# KiCad board Si5351ABreakout_panel.kicad_pcb (continued)
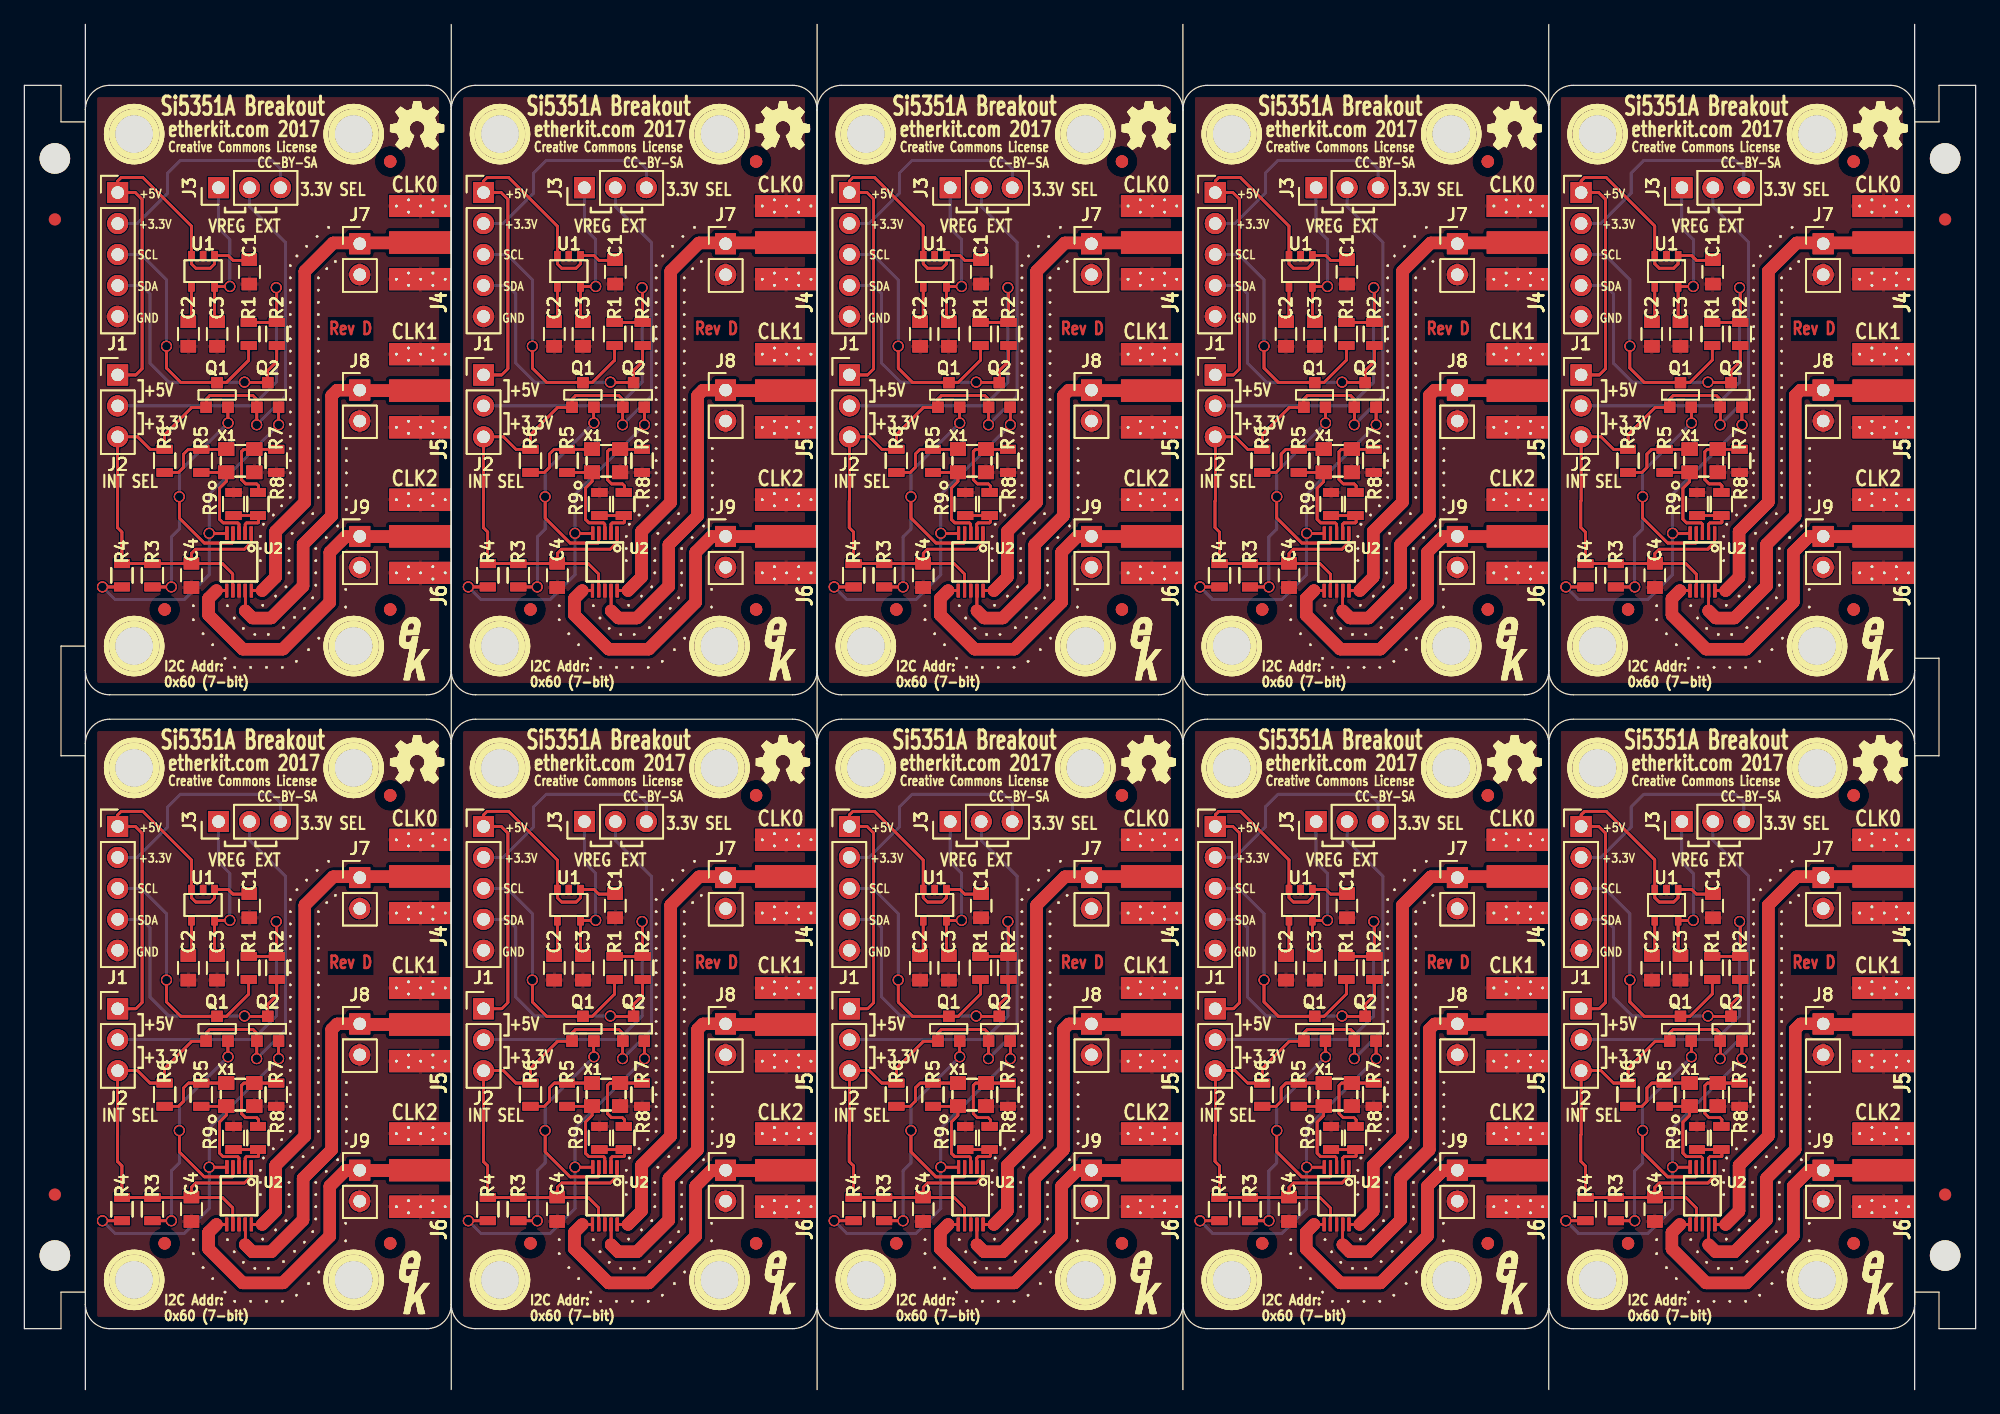
[diagram p0: board, top side]
## Placement (name value [footprint] x y rotation side) (continued)
VIA#675  VAL**  [VIA]  78.55 59.25 0 top
VIA#676  VAL**  [VIA]  76.45 60 0 top
VIA#677  VAL**  [VIA]  75.45 61.1 0 top
VIA#678  VAL**  [VIA]  74.65 62 0 top
VIA#679  VAL**  [VIA]  73.85 63.15 0 top
VIA#680  VAL**  [VIA]  73.85 64.3 0 top
VIA#681  VAL**  [VIA]  84.95 95.35 0 top
VIA#682  VAL**  [VIA]  84 94.6 0 top
VIA#683  VAL**  [VIA]  83.15 93.8 0 top
VIA#684  VAL**  [VIA]  82.35 93 0 top
VIA#685  VAL**  [VIA]  85.5 92.55 0 top
VIA#686  VAL**  [VIA]  84.8 91.95 0 top
VIA#687  VAL**  [VIA]  84.1 91.2 0 top
VIA#688  VAL**  [VIA]  84.1 90.2 0 top
VIA#689  VAL**  [VIA]  84.1 89.2 0 top
VIA#690  VAL**  [VIA]  84.1 88.2 0 top
VIA#691  VAL**  [VIA]  84.1 87.2 0 top
VIA#692  VAL**  [VIA]  84.1 86.2 0 top
VIA#693  VAL**  [VIA]  84.1 85.2 0 top
VIA#694  VAL**  [VIA]  84.1 84.2 0 top
VIA#695  VAL**  [VIA]  84.1 83.2 0 top
VIA#696  VAL**  [VIA]  84.1 82.2 0 top
VIA#697  VAL**  [VIA]  86.4 77.2 0 top
VIA#698  VAL**  [VIA]  86.4 76.2 0 top
VIA#699  VAL**  [VIA]  86.4 75.2 0 top
VIA#700  VAL**  [VIA]  86.4 74.2 0 top
VIA#701  VAL**  [VIA]  86.4 73.2 0 top
VIA#702  VAL**  [VIA]  83.65 64.95 0 top
VIA#703  VAL**  [VIA]  86.4 72.2 0 top
VIA#704  VAL**  [VIA]  85.7 70.85 0 top
VIA#705  VAL**  [VIA]  84.75 69.9 0 top
VIA#706  VAL**  [VIA]  83.9 69 0 top
VIA#707  VAL**  [VIA]  83.9 68 0 top
VIA#708  VAL**  [VIA]  83.9 67 0 top
VIA#709  VAL**  [VIA]  83.9 66 0 top
VIA#710  VAL**  [VIA]  82.95 64.1 0 top
VIA#711  VAL**  [VIA]  82.15 63.35 0 top
VIA#712  VAL**  [VIA]  81.25 62.5 0 top
VIA#713  VAL**  [VIA]  80 61.95 0 top
VIA#714  VAL**  [VIA]  78.9 61.95 0 top
VIA#715  VAL**  [VIA]  77.95 62.45 0 top
VIA#716  VAL**  [VIA]  76.65 64.3 0 top
VIA#717  VAL**  [VIA]  79.55 64.35 0 top
VIA#718  VAL**  [VIA]  80.6 65.1 0 top
VIA#719  VAL**  [VIA]  81.45 65.85 0 top
VIA#720  VAL**  [VIA]  81.7 67 0 top
VIA#721  VAL**  [VIA]  81.7 68 0 top
VIA#722  VAL**  [VIA]  81.7 69 0 top
VIA#723  VAL**  [VIA]  81.95 70.25 0 top
VIA#724  VAL**  [VIA]  82.85 71.1 0 top
VIA#725  VAL**  [VIA]  84.1 80.2 0 top
VIA#726  VAL**  [VIA]  84.1 79.2 0 top
VIA#727  VAL**  [VIA]  84.1 78.2 0 top
VIA#728  VAL**  [VIA]  84.1 77.2 0 top
VIA#729  VAL**  [VIA]  84.1 76.2 0 top
VIA#730  VAL**  [VIA]  84.1 75.2 0 top
VIA#731  VAL**  [VIA]  84.1 74.2 0 top
VIA#732  VAL**  [VIA]  84.1 73.2 0 top
VIA#733  VAL**  [VIA]  81.1 72.5 0 top
VIA#734  VAL**  [VIA]  80.4 71.75 0 top
VIA#735  VAL**  [VIA]  79.6 71 0 top
VIA#736  VAL**  [VIA]  79.35 70 0 top
VIA#737  VAL**  [VIA]  79.35 69 0 top
VIA#738  VAL**  [VIA]  79.35 68 0 top
VIA#739  VAL**  [VIA]  83.65 71.85 0 top
VIA#740  VAL**  [VIA]  81.8 73.2 0 top
VIA#741  VAL**  [VIA]  81.8 74.2 0 top
VIA#742  VAL**  [VIA]  81.8 75.2 0 top
VIA#743  VAL**  [VIA]  81.8 76.2 0 top
VIA#744  VAL**  [VIA]  81.8 77.2 0 top
VIA#745  VAL**  [VIA]  81.8 78.2 0 top
VIA#746  VAL**  [VIA]  81.8 79.2 0 top
VIA#747  VAL**  [VIA]  81.8 80.2 0 top
VIA#748  VAL**  [VIA]  81.8 81.2 0 top
VIA#749  VAL**  [VIA]  81.8 82.2 0 top
VIA#750  VAL**  [VIA]  81.8 83.2 0 top
VIA#751  VAL**  [VIA]  81.8 84.2 0 top
VIA#752  VAL**  [VIA]  81.8 85.2 0 top
VIA#753  VAL**  [VIA]  81.8 86.2 0 top
VIA#754  VAL**  [VIA]  81.8 87.2 0 top
VIA#755  VAL**  [VIA]  81.8 88.2 0 top
VIA#756  VAL**  [VIA]  81.8 89.2 0 top
VIA#757  VAL**  [VIA]  81.8 90.2 0 top
VIA#758  VAL**  [VIA]  81.8 91.2 0 top
VIA#759  VAL**  [VIA]  81.8 92.2 0 top
VIA#760  VAL**  [VIA]  84.1 81.2 0 top
VIA#761  VAL**  [VIA]  107.2 63.3 0 top
VIA#762  VAL**  [VIA]  116.35 65.65 0 top
VIA#763  VAL**  [VIA]  116.35 64.2 0 top
VIA#764  VAL**  [VIA]  107.25 59.25 0 top
VIA#765  VAL**  [VIA]  114.15 61.65 0 top
VIA#766  VAL**  [VIA]  113.3 60.7 0 top
VIA#767  VAL**  [VIA]  112.3 59.75 0 top
VIA#768  VAL**  [VIA]  111.15 59.25 0 top
VIA#769  VAL**  [VIA]  109.85 59.25 0 top
VIA#770  VAL**  [VIA]  108.55 59.25 0 top
VIA#771  VAL**  [VIA]  106.45 60 0 top
VIA#772  VAL**  [VIA]  105.45 61.1 0 top
VIA#773  VAL**  [VIA]  104.65 62 0 top
VIA#774  VAL**  [VIA]  103.85 63.15 0 top
VIA#775  VAL**  [VIA]  103.85 64.3 0 top
VIA#776  VAL**  [VIA]  114.95 95.35 0 top
VIA#777  VAL**  [VIA]  114 94.6 0 top
VIA#778  VAL**  [VIA]  113.15 93.8 0 top
VIA#779  VAL**  [VIA]  112.35 93 0 top
VIA#780  VAL**  [VIA]  115.5 92.55 0 top
VIA#781  VAL**  [VIA]  114.8 91.95 0 top
VIA#782  VAL**  [VIA]  114.1 91.2 0 top
VIA#783  VAL**  [VIA]  114.1 90.2 0 top
VIA#784  VAL**  [VIA]  114.1 89.2 0 top
VIA#785  VAL**  [VIA]  114.1 88.2 0 top
VIA#786  VAL**  [VIA]  114.1 87.2 0 top
VIA#787  VAL**  [VIA]  114.1 86.2 0 top
VIA#788  VAL**  [VIA]  114.1 85.2 0 top
VIA#789  VAL**  [VIA]  114.1 84.2 0 top
VIA#790  VAL**  [VIA]  114.1 83.2 0 top
VIA#791  VAL**  [VIA]  114.1 82.2 0 top
VIA#792  VAL**  [VIA]  116.4 77.2 0 top
VIA#793  VAL**  [VIA]  116.4 76.2 0 top
VIA#794  VAL**  [VIA]  116.4 75.2 0 top
VIA#795  VAL**  [VIA]  116.4 74.2 0 top
VIA#796  VAL**  [VIA]  116.4 73.2 0 top
VIA#797  VAL**  [VIA]  113.65 64.95 0 top
VIA#798  VAL**  [VIA]  116.4 72.2 0 top
VIA#799  VAL**  [VIA]  115.7 70.85 0 top
VIA#800  VAL**  [VIA]  114.75 69.9 0 top
VIA#801  VAL**  [VIA]  113.9 69 0 top
VIA#802  VAL**  [VIA]  113.9 68 0 top
VIA#803  VAL**  [VIA]  113.9 67 0 top
VIA#804  VAL**  [VIA]  113.9 66 0 top
VIA#805  VAL**  [VIA]  112.95 64.1 0 top
VIA#806  VAL**  [VIA]  112.15 63.35 0 top
VIA#807  VAL**  [VIA]  111.25 62.5 0 top
VIA#808  VAL**  [VIA]  110 61.95 0 top
VIA#809  VAL**  [VIA]  108.9 61.95 0 top
VIA#810  VAL**  [VIA]  107.95 62.45 0 top
VIA#811  VAL**  [VIA]  106.65 64.3 0 top
VIA#812  VAL**  [VIA]  109.55 64.35 0 top
VIA#813  VAL**  [VIA]  110.6 65.1 0 top
VIA#814  VAL**  [VIA]  111.45 65.85 0 top
VIA#815  VAL**  [VIA]  111.7 67 0 top
VIA#816  VAL**  [VIA]  111.7 68 0 top
VIA#817  VAL**  [VIA]  111.7 69 0 top
VIA#818  VAL**  [VIA]  111.95 70.25 0 top
VIA#819  VAL**  [VIA]  112.85 71.1 0 top
VIA#820  VAL**  [VIA]  114.1 80.2 0 top
VIA#821  VAL**  [VIA]  114.1 79.2 0 top
VIA#822  VAL**  [VIA]  114.1 78.2 0 top
VIA#823  VAL**  [VIA]  114.1 77.2 0 top
VIA#824  VAL**  [VIA]  114.1 76.2 0 top
VIA#825  VAL**  [VIA]  114.1 75.2 0 top
VIA#826  VAL**  [VIA]  114.1 74.2 0 top
VIA#827  VAL**  [VIA]  114.1 73.2 0 top
VIA#828  VAL**  [VIA]  111.1 72.5 0 top
VIA#829  VAL**  [VIA]  110.4 71.75 0 top
VIA#830  VAL**  [VIA]  109.6 71 0 top
VIA#831  VAL**  [VIA]  109.35 70 0 top
VIA#832  VAL**  [VIA]  109.35 69 0 top
VIA#833  VAL**  [VIA]  109.35 68 0 top
VIA#834  VAL**  [VIA]  113.65 71.85 0 top
VIA#835  VAL**  [VIA]  111.8 73.2 0 top
VIA#836  VAL**  [VIA]  111.8 74.2 0 top
VIA#837  VAL**  [VIA]  111.8 75.2 0 top
VIA#838  VAL**  [VIA]  111.8 76.2 0 top
VIA#839  VAL**  [VIA]  111.8 77.2 0 top
VIA#840  VAL**  [VIA]  111.8 78.2 0 top
VIA#841  VAL**  [VIA]  111.8 79.2 0 top
VIA#842  VAL**  [VIA]  111.8 80.2 0 top
VIA#843  VAL**  [VIA]  111.8 81.2 0 top
VIA#844  VAL**  [VIA]  111.8 82.2 0 top
VIA#845  VAL**  [VIA]  111.8 83.2 0 top
VIA#846  VAL**  [VIA]  111.8 84.2 0 top
VIA#847  VAL**  [VIA]  111.8 85.2 0 top
VIA#848  VAL**  [VIA]  111.8 86.2 0 top
VIA#849  VAL**  [VIA]  111.8 87.2 0 top
VIA#850  VAL**  [VIA]  111.8 88.2 0 top
VIA#851  VAL**  [VIA]  111.8 89.2 0 top
VIA#852  VAL**  [VIA]  111.8 90.2 0 top
VIA#853  VAL**  [VIA]  111.8 91.2 0 top
VIA#854  VAL**  [VIA]  111.8 92.2 0 top
VIA#855  VAL**  [VIA]  114.1 81.2 0 top
VIA#856  VAL**  [VIA]  137.2 63.3 0 top
VIA#857  VAL**  [VIA]  146.35 65.65 0 top
VIA#858  VAL**  [VIA]  146.35 64.2 0 top
VIA#859  VAL**  [VIA]  137.25 59.25 0 top
VIA#860  VAL**  [VIA]  144.15 61.65 0 top
VIA#861  VAL**  [VIA]  143.3 60.7 0 top
VIA#862  VAL**  [VIA]  142.3 59.75 0 top
VIA#863  VAL**  [VIA]  141.15 59.25 0 top
VIA#864  VAL**  [VIA]  139.85 59.25 0 top
VIA#865  VAL**  [VIA]  138.55 59.25 0 top
VIA#866  VAL**  [VIA]  136.45 60 0 top
VIA#867  VAL**  [VIA]  135.45 61.1 0 top
VIA#868  VAL**  [VIA]  134.65 62 0 top
VIA#869  VAL**  [VIA]  133.85 63.15 0 top
VIA#870  VAL**  [VIA]  133.85 64.3 0 top
VIA#871  VAL**  [VIA]  144.95 95.35 0 top
VIA#872  VAL**  [VIA]  144 94.6 0 top
VIA#873  VAL**  [VIA]  143.15 93.8 0 top
VIA#874  VAL**  [VIA]  142.35 93 0 top
VIA#875  VAL**  [VIA]  145.5 92.55 0 top
VIA#876  VAL**  [VIA]  144.8 91.95 0 top
VIA#877  VAL**  [VIA]  144.1 91.2 0 top
VIA#878  VAL**  [VIA]  144.1 90.2 0 top
VIA#879  VAL**  [VIA]  144.1 89.2 0 top
VIA#880  VAL**  [VIA]  144.1 88.2 0 top
VIA#881  VAL**  [VIA]  144.1 87.2 0 top
VIA#882  VAL**  [VIA]  144.1 86.2 0 top
VIA#883  VAL**  [VIA]  144.1 85.2 0 top
VIA#884  VAL**  [VIA]  144.1 84.2 0 top
VIA#885  VAL**  [VIA]  144.1 83.2 0 top
VIA#886  VAL**  [VIA]  144.1 82.2 0 top
VIA#887  VAL**  [VIA]  146.4 77.2 0 top
VIA#888  VAL**  [VIA]  146.4 76.2 0 top
VIA#889  VAL**  [VIA]  146.4 75.2 0 top
VIA#890  VAL**  [VIA]  146.4 74.2 0 top
VIA#891  VAL**  [VIA]  146.4 73.2 0 top
VIA#892  VAL**  [VIA]  143.65 64.95 0 top
VIA#893  VAL**  [VIA]  146.4 72.2 0 top
VIA#894  VAL**  [VIA]  145.7 70.85 0 top
VIA#895  VAL**  [VIA]  144.75 69.9 0 top
VIA#896  VAL**  [VIA]  143.9 69 0 top
VIA#897  VAL**  [VIA]  143.9 68 0 top
VIA#898  VAL**  [VIA]  143.9 67 0 top
VIA#899  VAL**  [VIA]  143.9 66 0 top
VIA#900  VAL**  [VIA]  142.95 64.1 0 top
VIA#901  VAL**  [VIA]  142.15 63.35 0 top
VIA#902  VAL**  [VIA]  141.25 62.5 0 top
VIA#903  VAL**  [VIA]  140 61.95 0 top
VIA#904  VAL**  [VIA]  138.9 61.95 0 top
VIA#905  VAL**  [VIA]  137.95 62.45 0 top
VIA#906  VAL**  [VIA]  136.65 64.3 0 top
VIA#907  VAL**  [VIA]  139.55 64.35 0 top
VIA#908  VAL**  [VIA]  140.6 65.1 0 top
VIA#909  VAL**  [VIA]  141.45 65.85 0 top
VIA#910  VAL**  [VIA]  141.7 67 0 top
VIA#911  VAL**  [VIA]  141.7 68 0 top
VIA#912  VAL**  [VIA]  141.7 69 0 top
VIA#913  VAL**  [VIA]  141.95 70.25 0 top
VIA#914  VAL**  [VIA]  142.85 71.1 0 top
VIA#915  VAL**  [VIA]  144.1 80.2 0 top
VIA#916  VAL**  [VIA]  144.1 79.2 0 top
VIA#917  VAL**  [VIA]  144.1 78.2 0 top
VIA#918  VAL**  [VIA]  144.1 77.2 0 top
VIA#919  VAL**  [VIA]  144.1 76.2 0 top
VIA#920  VAL**  [VIA]  144.1 75.2 0 top
VIA#921  VAL**  [VIA]  144.1 74.2 0 top
VIA#922  VAL**  [VIA]  144.1 73.2 0 top
VIA#923  VAL**  [VIA]  141.1 72.5 0 top
VIA#924  VAL**  [VIA]  140.4 71.75 0 top
VIA#925  VAL**  [VIA]  139.6 71 0 top
VIA#926  VAL**  [VIA]  139.35 70 0 top
VIA#927  VAL**  [VIA]  139.35 69 0 top
VIA#928  VAL**  [VIA]  139.35 68 0 top
VIA#929  VAL**  [VIA]  143.65 71.85 0 top
VIA#930  VAL**  [VIA]  141.8 73.2 0 top
VIA#931  VAL**  [VIA]  141.8 74.2 0 top
VIA#932  VAL**  [VIA]  141.8 75.2 0 top
VIA#933  VAL**  [VIA]  141.8 76.2 0 top
VIA#934  VAL**  [VIA]  141.8 77.2 0 top
VIA#935  VAL**  [VIA]  141.8 78.2 0 top
VIA#936  VAL**  [VIA]  141.8 79.2 0 top
VIA#937  VAL**  [VIA]  141.8 80.2 0 top
VIA#938  VAL**  [VIA]  141.8 81.2 0 top
VIA#939  VAL**  [VIA]  141.8 82.2 0 top
VIA#940  VAL**  [VIA]  141.8 83.2 0 top
VIA#941  VAL**  [VIA]  141.8 84.2 0 top
VIA#942  VAL**  [VIA]  141.8 85.2 0 top
VIA#943  VAL**  [VIA]  141.8 86.2 0 top
VIA#944  VAL**  [VIA]  141.8 87.2 0 top
VIA#945  VAL**  [VIA]  141.8 88.2 0 top
VIA#946  VAL**  [VIA]  141.8 89.2 0 top
VIA#947  VAL**  [VIA]  141.8 90.2 0 top
VIA#948  VAL**  [VIA]  141.8 91.2 0 top
VIA#949  VAL**  [VIA]  141.8 92.2 0 top
VIA#950  VAL**  [VIA]  144.1 81.2 0 top
VIA#951  VAL**  [VIA]  144.1 81.2 0 top
VIA#952  VAL**  [VIA]  141.8 92.2 0 top
VIA#953  VAL**  [VIA]  141.8 91.2 0 top
VIA#954  VAL**  [VIA]  141.8 90.2 0 top
VIA#955  VAL**  [VIA]  141.8 89.2 0 top
VIA#956  VAL**  [VIA]  141.8 88.2 0 top
VIA#957  VAL**  [VIA]  141.8 87.2 0 top
VIA#958  VAL**  [VIA]  141.8 86.2 0 top
VIA#959  VAL**  [VIA]  141.8 85.2 0 top
VIA#960  VAL**  [VIA]  141.8 84.2 0 top
VIA#961  VAL**  [VIA]  141.8 83.2 0 top
VIA#962  VAL**  [VIA]  141.8 82.2 0 top
VIA#963  VAL**  [VIA]  141.8 81.2 0 top
VIA#964  VAL**  [VIA]  141.8 80.2 0 top
VIA#965  VAL**  [VIA]  141.8 79.2 0 top
VIA#966  VAL**  [VIA]  141.8 78.2 0 top
VIA#967  VAL**  [VIA]  141.8 77.2 0 top
VIA#968  VAL**  [VIA]  141.8 76.2 0 top
VIA#969  VAL**  [VIA]  141.8 75.2 0 top
VIA#970  VAL**  [VIA]  141.8 74.2 0 top
VIA#971  VAL**  [VIA]  141.8 73.2 0 top
VIA#972  VAL**  [VIA]  143.65 71.85 0 top
VIA#973  VAL**  [VIA]  139.35 68 0 top
VIA#974  VAL**  [VIA]  139.35 69 0 top
VIA#975  VAL**  [VIA]  139.35 70 0 top
VIA#976  VAL**  [VIA]  139.6 71 0 top
VIA#977  VAL**  [VIA]  140.4 71.75 0 top
VIA#978  VAL**  [VIA]  141.1 72.5 0 top
VIA#979  VAL**  [VIA]  144.1 73.2 0 top
VIA#980  VAL**  [VIA]  144.1 74.2 0 top
VIA#981  VAL**  [VIA]  144.1 75.2 0 top
VIA#982  VAL**  [VIA]  144.1 76.2 0 top
VIA#983  VAL**  [VIA]  144.1 77.2 0 top
VIA#984  VAL**  [VIA]  144.1 78.2 0 top
VIA#985  VAL**  [VIA]  144.1 79.2 0 top
VIA#986  VAL**  [VIA]  144.1 80.2 0 top
VIA#987  VAL**  [VIA]  142.85 71.1 0 top
VIA#988  VAL**  [VIA]  141.95 70.25 0 top
VIA#989  VAL**  [VIA]  141.7 69 0 top
VIA#990  VAL**  [VIA]  141.7 68 0 top
VIA#991  VAL**  [VIA]  141.7 67 0 top
VIA#992  VAL**  [VIA]  141.45 65.85 0 top
VIA#993  VAL**  [VIA]  140.6 65.1 0 top
VIA#994  VAL**  [VIA]  139.55 64.35 0 top
VIA#995  VAL**  [VIA]  136.65 64.3 0 top
VIA#996  VAL**  [VIA]  137.95 62.45 0 top
VIA#997  VAL**  [VIA]  138.9 61.95 0 top
VIA#998  VAL**  [VIA]  140 61.95 0 top
VIA#999  VAL**  [VIA]  141.25 62.5 0 top
VIA#1000  VAL**  [VIA]  142.15 63.35 0 top
VIA#1001  VAL**  [VIA]  142.95 64.1 0 top
VIA#1002  VAL**  [VIA]  143.9 66 0 top
VIA#1003  VAL**  [VIA]  143.9 67 0 top
VIA#1004  VAL**  [VIA]  143.9 68 0 top
VIA#1005  VAL**  [VIA]  143.9 69 0 top
VIA#1006  VAL**  [VIA]  144.75 69.9 0 top
VIA#1007  VAL**  [VIA]  145.7 70.85 0 top
VIA#1008  VAL**  [VIA]  146.4 72.2 0 top
VIA#1009  VAL**  [VIA]  143.65 64.95 0 top
VIA#1010  VAL**  [VIA]  146.4 73.2 0 top
VIA#1011  VAL**  [VIA]  146.4 74.2 0 top
VIA#1012  VAL**  [VIA]  146.4 75.2 0 top
VIA#1013  VAL**  [VIA]  146.4 76.2 0 top
VIA#1014  VAL**  [VIA]  146.4 77.2 0 top
VIA#1015  VAL**  [VIA]  144.1 82.2 0 top
VIA#1016  VAL**  [VIA]  144.1 83.2 0 top
VIA#1017  VAL**  [VIA]  144.1 84.2 0 top
VIA#1018  VAL**  [VIA]  144.1 85.2 0 top
VIA#1019  VAL**  [VIA]  144.1 86.2 0 top
VIA#1020  VAL**  [VIA]  144.1 87.2 0 top
VIA#1021  VAL**  [VIA]  144.1 88.2 0 top
VIA#1022  VAL**  [VIA]  144.1 89.2 0 top
VIA#1023  VAL**  [VIA]  144.1 90.2 0 top
VIA#1024  VAL**  [VIA]  144.1 91.2 0 top
VIA#1025  VAL**  [VIA]  144.8 91.95 0 top
VIA#1026  VAL**  [VIA]  145.5 92.55 0 top
VIA#1027  VAL**  [VIA]  142.35 93 0 top
VIA#1028  VAL**  [VIA]  143.15 93.8 0 top
VIA#1029  VAL**  [VIA]  144 94.6 0 top
VIA#1030  VAL**  [VIA]  144.95 95.35 0 top
VIA#1031  VAL**  [VIA]  133.85 64.3 0 top
VIA#1032  VAL**  [VIA]  133.85 63.15 0 top
VIA#1033  VAL**  [VIA]  134.65 62 0 top
VIA#1034  VAL**  [VIA]  135.45 61.1 0 top
VIA#1035  VAL**  [VIA]  136.45 60 0 top
VIA#1036  VAL**  [VIA]  138.55 59.25 0 top
VIA#1037  VAL**  [VIA]  139.85 59.25 0 top
VIA#1038  VAL**  [VIA]  141.15 59.25 0 top
VIA#1039  VAL**  [VIA]  142.3 59.75 0 top
VIA#1040  VAL**  [VIA]  143.3 60.7 0 top
VIA#1041  VAL**  [VIA]  144.15 61.65 0 top
VIA#1042  VAL**  [VIA]  137.25 59.25 0 top
VIA#1043  VAL**  [VIA]  146.35 64.2 0 top
VIA#1044  VAL**  [VIA]  146.35 65.65 0 top
VIA#1045  VAL**  [VIA]  137.2 63.3 0 top
VIA#1046  VAL**  [VIA]  114.1 81.2 0 top
VIA#1047  VAL**  [VIA]  111.8 92.2 0 top
VIA#1048  VAL**  [VIA]  111.8 91.2 0 top
VIA#1049  VAL**  [VIA]  111.8 90.2 0 top
VIA#1050  VAL**  [VIA]  111.8 89.2 0 top
VIA#1051  VAL**  [VIA]  111.8 88.2 0 top
VIA#1052  VAL**  [VIA]  111.8 87.2 0 top
VIA#1053  VAL**  [VIA]  111.8 86.2 0 top
VIA#1054  VAL**  [VIA]  111.8 85.2 0 top
VIA#1055  VAL**  [VIA]  111.8 84.2 0 top
VIA#1056  VAL**  [VIA]  111.8 83.2 0 top
VIA#1057  VAL**  [VIA]  111.8 82.2 0 top
VIA#1058  VAL**  [VIA]  111.8 81.2 0 top
VIA#1059  VAL**  [VIA]  111.8 80.2 0 top
VIA#1060  VAL**  [VIA]  111.8 79.2 0 top
VIA#1061  VAL**  [VIA]  111.8 78.2 0 top
VIA#1062  VAL**  [VIA]  111.8 77.2 0 top
VIA#1063  VAL**  [VIA]  111.8 76.2 0 top
VIA#1064  VAL**  [VIA]  111.8 75.2 0 top
VIA#1065  VAL**  [VIA]  111.8 74.2 0 top
VIA#1066  VAL**  [VIA]  111.8 73.2 0 top
VIA#1067  VAL**  [VIA]  113.65 71.85 0 top
VIA#1068  VAL**  [VIA]  109.35 68 0 top
VIA#1069  VAL**  [VIA]  109.35 69 0 top
VIA#1070  VAL**  [VIA]  109.35 70 0 top
VIA#1071  VAL**  [VIA]  109.6 71 0 top
VIA#1072  VAL**  [VIA]  110.4 71.75 0 top
VIA#1073  VAL**  [VIA]  111.1 72.5 0 top
VIA#1074  VAL**  [VIA]  114.1 73.2 0 top
VIA#1075  VAL**  [VIA]  114.1 74.2 0 top
VIA#1076  VAL**  [VIA]  114.1 75.2 0 top
VIA#1077  VAL**  [VIA]  114.1 76.2 0 top
VIA#1078  VAL**  [VIA]  114.1 77.2 0 top
VIA#1079  VAL**  [VIA]  114.1 78.2 0 top
VIA#1080  VAL**  [VIA]  114.1 79.2 0 top
VIA#1081  VAL**  [VIA]  114.1 80.2 0 top
VIA#1082  VAL**  [VIA]  112.85 71.1 0 top
VIA#1083  VAL**  [VIA]  111.95 70.25 0 top
VIA#1084  VAL**  [VIA]  111.7 69 0 top
VIA#1085  VAL**  [VIA]  111.7 68 0 top
VIA#1086  VAL**  [VIA]  111.7 67 0 top
VIA#1087  VAL**  [VIA]  111.45 65.85 0 top
VIA#1088  VAL**  [VIA]  110.6 65.1 0 top
VIA#1089  VAL**  [VIA]  109.55 64.35 0 top
VIA#1090  VAL**  [VIA]  106.65 64.3 0 top
VIA#1091  VAL**  [VIA]  107.95 62.45 0 top
VIA#1092  VAL**  [VIA]  108.9 61.95 0 top
VIA#1093  VAL**  [VIA]  110 61.95 0 top
VIA#1094  VAL**  [VIA]  111.25 62.5 0 top
VIA#1095  VAL**  [VIA]  112.15 63.35 0 top
VIA#1096  VAL**  [VIA]  112.95 64.1 0 top
VIA#1097  VAL**  [VIA]  113.9 66 0 top
VIA#1098  VAL**  [VIA]  113.9 67 0 top
VIA#1099  VAL**  [VIA]  113.9 68 0 top
VIA#1100  VAL**  [VIA]  113.9 69 0 top
VIA#1101  VAL**  [VIA]  114.75 69.9 0 top
VIA#1102  VAL**  [VIA]  115.7 70.85 0 top
VIA#1103  VAL**  [VIA]  116.4 72.2 0 top
VIA#1104  VAL**  [VIA]  113.65 64.95 0 top
VIA#1105  VAL**  [VIA]  116.4 73.2 0 top
VIA#1106  VAL**  [VIA]  116.4 74.2 0 top
VIA#1107  VAL**  [VIA]  116.4 75.2 0 top
VIA#1108  VAL**  [VIA]  116.4 76.2 0 top
VIA#1109  VAL**  [VIA]  116.4 77.2 0 top
VIA#1110  VAL**  [VIA]  114.1 82.2 0 top
VIA#1111  VAL**  [VIA]  114.1 83.2 0 top
VIA#1112  VAL**  [VIA]  114.1 84.2 0 top
VIA#1113  VAL**  [VIA]  114.1 85.2 0 top
VIA#1114  VAL**  [VIA]  114.1 86.2 0 top
VIA#1115  VAL**  [VIA]  114.1 87.2 0 top
VIA#1116  VAL**  [VIA]  114.1 88.2 0 top
VIA#1117  VAL**  [VIA]  114.1 89.2 0 top
VIA#1118  VAL**  [VIA]  114.1 90.2 0 top
VIA#1119  VAL**  [VIA]  114.1 91.2 0 top
VIA#1120  VAL**  [VIA]  114.8 91.95 0 top
VIA#1121  VAL**  [VIA]  115.5 92.55 0 top
VIA#1122  VAL**  [VIA]  112.35 93 0 top
VIA#1123  VAL**  [VIA]  113.15 93.8 0 top
VIA#1124  VAL**  [VIA]  114 94.6 0 top
VIA#1125  VAL**  [VIA]  114.95 95.35 0 top
VIA#1126  VAL**  [VIA]  103.85 64.3 0 top
VIA#1127  VAL**  [VIA]  103.85 63.15 0 top
VIA#1128  VAL**  [VIA]  104.65 62 0 top
VIA#1129  VAL**  [VIA]  105.45 61.1 0 top
VIA#1130  VAL**  [VIA]  106.45 60 0 top
VIA#1131  VAL**  [VIA]  108.55 59.25 0 top
VIA#1132  VAL**  [VIA]  109.85 59.25 0 top
VIA#1133  VAL**  [VIA]  111.15 59.25 0 top
VIA#1134  VAL**  [VIA]  112.3 59.75 0 top
VIA#1135  VAL**  [VIA]  113.3 60.7 0 top
VIA#1136  VAL**  [VIA]  114.15 61.65 0 top
VIA#1137  VAL**  [VIA]  107.25 59.25 0 top
VIA#1138  VAL**  [VIA]  116.35 64.2 0 top
VIA#1139  VAL**  [VIA]  116.35 65.65 0 top
VIA#1140  VAL**  [VIA]  107.2 63.3 0 top
VIA#1141  VAL**  [VIA]  84.1 81.2 0 top
VIA#1142  VAL**  [VIA]  81.8 92.2 0 top
VIA#1143  VAL**  [VIA]  81.8 91.2 0 top
VIA#1144  VAL**  [VIA]  81.8 90.2 0 top
VIA#1145  VAL**  [VIA]  81.8 89.2 0 top
VIA#1146  VAL**  [VIA]  81.8 88.2 0 top
VIA#1147  VAL**  [VIA]  81.8 87.2 0 top
VIA#1148  VAL**  [VIA]  81.8 86.2 0 top
VIA#1149  VAL**  [VIA]  81.8 85.2 0 top
VIA#1150  VAL**  [VIA]  81.8 84.2 0 top
VIA#1151  VAL**  [VIA]  81.8 83.2 0 top
VIA#1152  VAL**  [VIA]  81.8 82.2 0 top
VIA#1153  VAL**  [VIA]  81.8 81.2 0 top
VIA#1154  VAL**  [VIA]  81.8 80.2 0 top
VIA#1155  VAL**  [VIA]  81.8 79.2 0 top
VIA#1156  VAL**  [VIA]  81.8 78.2 0 top
VIA#1157  VAL**  [VIA]  81.8 77.2 0 top
VIA#1158  VAL**  [VIA]  81.8 76.2 0 top
VIA#1159  VAL**  [VIA]  81.8 75.2 0 top
VIA#1160  VAL**  [VIA]  81.8 74.2 0 top
VIA#1161  VAL**  [VIA]  81.8 73.2 0 top
VIA#1162  VAL**  [VIA]  83.65 71.85 0 top
VIA#1163  VAL**  [VIA]  79.35 68 0 top
VIA#1164  VAL**  [VIA]  79.35 69 0 top
VIA#1165  VAL**  [VIA]  79.35 70 0 top
VIA#1166  VAL**  [VIA]  79.6 71 0 top
VIA#1167  VAL**  [VIA]  80.4 71.75 0 top
VIA#1168  VAL**  [VIA]  81.1 72.5 0 top
VIA#1169  VAL**  [VIA]  84.1 73.2 0 top
VIA#1170  VAL**  [VIA]  84.1 74.2 0 top
VIA#1171  VAL**  [VIA]  84.1 75.2 0 top
VIA#1172  VAL**  [VIA]  84.1 76.2 0 top
VIA#1173  VAL**  [VIA]  84.1 77.2 0 top
VIA#1174  VAL**  [VIA]  84.1 78.2 0 top
VIA#1175  VAL**  [VIA]  84.1 79.2 0 top
VIA#1176  VAL**  [VIA]  84.1 80.2 0 top
VIA#1177  VAL**  [VIA]  82.85 71.1 0 top
VIA#1178  VAL**  [VIA]  81.95 70.25 0 top
VIA#1179  VAL**  [VIA]  81.7 69 0 top
VIA#1180  VAL**  [VIA]  81.7 68 0 top
VIA#1181  VAL**  [VIA]  81.7 67 0 top
VIA#1182  VAL**  [VIA]  81.45 65.85 0 top
VIA#1183  VAL**  [VIA]  80.6 65.1 0 top
VIA#1184  VAL**  [VIA]  79.55 64.35 0 top
VIA#1185  VAL**  [VIA]  76.65 64.3 0 top
VIA#1186  VAL**  [VIA]  77.95 62.45 0 top
VIA#1187  VAL**  [VIA]  78.9 61.95 0 top
VIA#1188  VAL**  [VIA]  80 61.95 0 top
VIA#1189  VAL**  [VIA]  81.25 62.5 0 top
VIA#1190  VAL**  [VIA]  82.15 63.35 0 top
VIA#1191  VAL**  [VIA]  82.95 64.1 0 top
VIA#1192  VAL**  [VIA]  83.9 66 0 top
VIA#1193  VAL**  [VIA]  83.9 67 0 top
VIA#1194  VAL**  [VIA]  83.9 68 0 top
VIA#1195  VAL**  [VIA]  83.9 69 0 top
VIA#1196  VAL**  [VIA]  84.75 69.9 0 top
VIA#1197  VAL**  [VIA]  85.7 70.85 0 top
VIA#1198  VAL**  [VIA]  86.4 72.2 0 top
VIA#1199  VAL**  [VIA]  83.65 64.95 0 top
VIA#1200  VAL**  [VIA]  86.4 73.2 0 top
VIA#1201  VAL**  [VIA]  86.4 74.2 0 top
VIA#1202  VAL**  [VIA]  86.4 75.2 0 top
VIA#1203  VAL**  [VIA]  86.4 76.2 0 top
VIA#1204  VAL**  [VIA]  86.4 77.2 0 top
VIA#1205  VAL**  [VIA]  84.1 82.2 0 top
VIA#1206  VAL**  [VIA]  84.1 83.2 0 top
VIA#1207  VAL**  [VIA]  84.1 84.2 0 top
VIA#1208  VAL**  [VIA]  84.1 85.2 0 top
VIA#1209  VAL**  [VIA]  84.1 86.2 0 top
VIA#1210  VAL**  [VIA]  84.1 87.2 0 top
VIA#1211  VAL**  [VIA]  84.1 88.2 0 top
VIA#1212  VAL**  [VIA]  84.1 89.2 0 top
VIA#1213  VAL**  [VIA]  84.1 90.2 0 top
VIA#1214  VAL**  [VIA]  84.1 91.2 0 top
VIA#1215  VAL**  [VIA]  84.8 91.95 0 top
VIA#1216  VAL**  [VIA]  85.5 92.55 0 top
VIA#1217  VAL**  [VIA]  82.35 93 0 top
VIA#1218  VAL**  [VIA]  83.15 93.8 0 top
VIA#1219  VAL**  [VIA]  84 94.6 0 top
VIA#1220  VAL**  [VIA]  84.95 95.35 0 top
VIA#1221  VAL**  [VIA]  73.85 64.3 0 top
VIA#1222  VAL**  [VIA]  73.85 63.15 0 top
VIA#1223  VAL**  [VIA]  74.65 62 0 top
VIA#1224  VAL**  [VIA]  75.45 61.1 0 top
VIA#1225  VAL**  [VIA]  76.45 60 0 top
VIA#1226  VAL**  [VIA]  78.55 59.25 0 top
VIA#1227  VAL**  [VIA]  79.85 59.25 0 top
VIA#1228  VAL**  [VIA]  81.15 59.25 0 top
VIA#1229  VAL**  [VIA]  82.3 59.75 0 top
VIA#1230  VAL**  [VIA]  83.3 60.7 0 top
VIA#1231  VAL**  [VIA]  84.15 61.65 0 top
VIA#1232  VAL**  [VIA]  77.25 59.25 0 top
VIA#1233  VAL**  [VIA]  86.35 64.2 0 top
VIA#1234  VAL**  [VIA]  86.35 65.65 0 top
VIA#1235  VAL**  [VIA]  77.2 63.3 0 top
VIA#1236  VAL**  [VIA]  54.1 81.2 0 top
VIA#1237  VAL**  [VIA]  51.8 92.2 0 top
VIA#1238  VAL**  [VIA]  51.8 91.2 0 top
VIA#1239  VAL**  [VIA]  51.8 90.2 0 top
VIA#1240  VAL**  [VIA]  51.8 89.2 0 top
VIA#1241  VAL**  [VIA]  51.8 88.2 0 top
VIA#1242  VAL**  [VIA]  51.8 87.2 0 top
VIA#1243  VAL**  [VIA]  51.8 86.2 0 top
VIA#1244  VAL**  [VIA]  51.8 85.2 0 top
VIA#1245  VAL**  [VIA]  51.8 84.2 0 top
VIA#1246  VAL**  [VIA]  51.8 83.2 0 top
VIA#1247  VAL**  [VIA]  51.8 82.2 0 top
VIA#1248  VAL**  [VIA]  51.8 81.2 0 top
VIA#1249  VAL**  [VIA]  51.8 80.2 0 top
VIA#1250  VAL**  [VIA]  51.8 79.2 0 top
VIA#1251  VAL**  [VIA]  51.8 78.2 0 top
VIA#1252  VAL**  [VIA]  51.8 77.2 0 top
VIA#1253  VAL**  [VIA]  51.8 76.2 0 top
VIA#1254  VAL**  [VIA]  51.8 75.2 0 top
VIA#1255  VAL**  [VIA]  51.8 74.2 0 top
VIA#1256  VAL**  [VIA]  51.8 73.2 0 top
VIA#1257  VAL**  [VIA]  53.65 71.85 0 top
VIA#1258  VAL**  [VIA]  49.35 68 0 top
VIA#1259  VAL**  [VIA]  49.35 69 0 top
VIA#1260  VAL**  [VIA]  49.35 70 0 top
VIA#1261  VAL**  [VIA]  49.6 71 0 top
VIA#1262  VAL**  [VIA]  50.4 71.75 0 top
VIA#1263  VAL**  [VIA]  51.1 72.5 0 top
VIA#1264  VAL**  [VIA]  54.1 73.2 0 top
VIA#1265  VAL**  [VIA]  54.1 74.2 0 top
VIA#1266  VAL**  [VIA]  54.1 75.2 0 top
VIA#1267  VAL**  [VIA]  54.1 76.2 0 top
VIA#1268  VAL**  [VIA]  54.1 77.2 0 top
VIA#1269  VAL**  [VIA]  54.1 78.2 0 top
VIA#1270  VAL**  [VIA]  54.1 79.2 0 top
VIA#1271  VAL**  [VIA]  54.1 80.2 0 top
VIA#1272  VAL**  [VIA]  52.85 71.1 0 top
VIA#1273  VAL**  [VIA]  51.95 70.25 0 top
VIA#1274  VAL**  [VIA]  51.7 69 0 top
VIA#1275  VAL**  [VIA]  51.7 68 0 top
VIA#1276  VAL**  [VIA]  51.7 67 0 top
VIA#1277  VAL**  [VIA]  51.45 65.85 0 top
VIA#1278  VAL**  [VIA]  50.6 65.1 0 top
VIA#1279  VAL**  [VIA]  49.55 64.35 0 top
VIA#1280  VAL**  [VIA]  46.65 64.3 0 top
VIA#1281  VAL**  [VIA]  47.95 62.45 0 top
VIA#1282  VAL**  [VIA]  48.9 61.95 0 top
VIA#1283  VAL**  [VIA]  50 61.95 0 top
VIA#1284  VAL**  [VIA]  51.25 62.5 0 top
VIA#1285  VAL**  [VIA]  52.15 63.35 0 top
VIA#1286  VAL**  [VIA]  52.95 64.1 0 top
VIA#1287  VAL**  [VIA]  53.9 66 0 top
VIA#1288  VAL**  [VIA]  53.9 67 0 top
VIA#1289  VAL**  [VIA]  53.9 68 0 top
VIA#1290  VAL**  [VIA]  53.9 69 0 top
VIA#1291  VAL**  [VIA]  54.75 69.9 0 top
VIA#1292  VAL**  [VIA]  55.7 70.85 0 top